# KiCad board Micro_Breakout.kicad_pcb
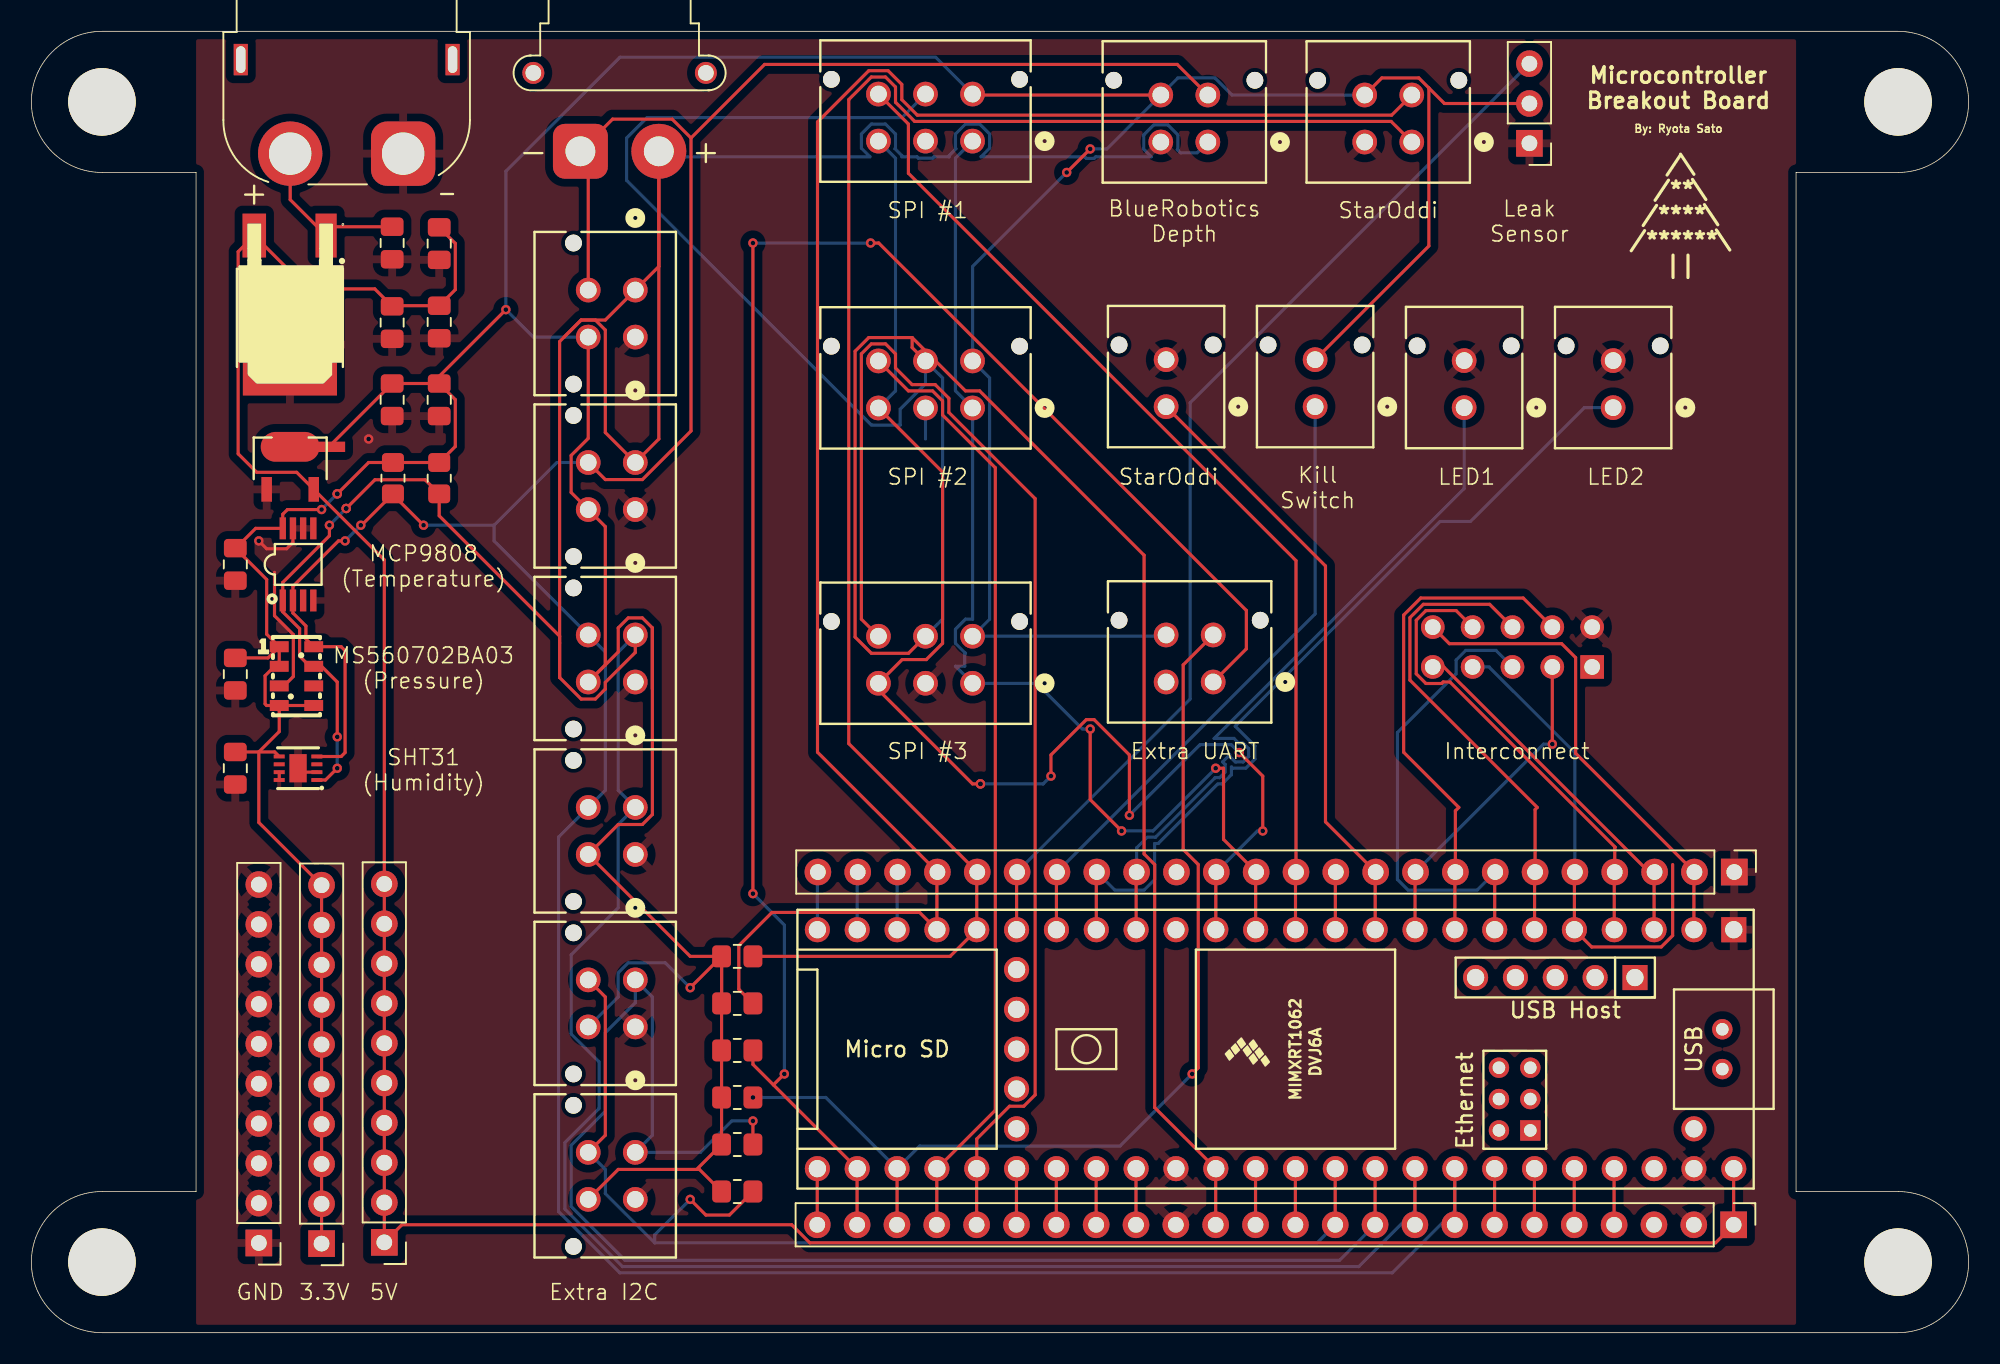
[diagram p0: board, top side]
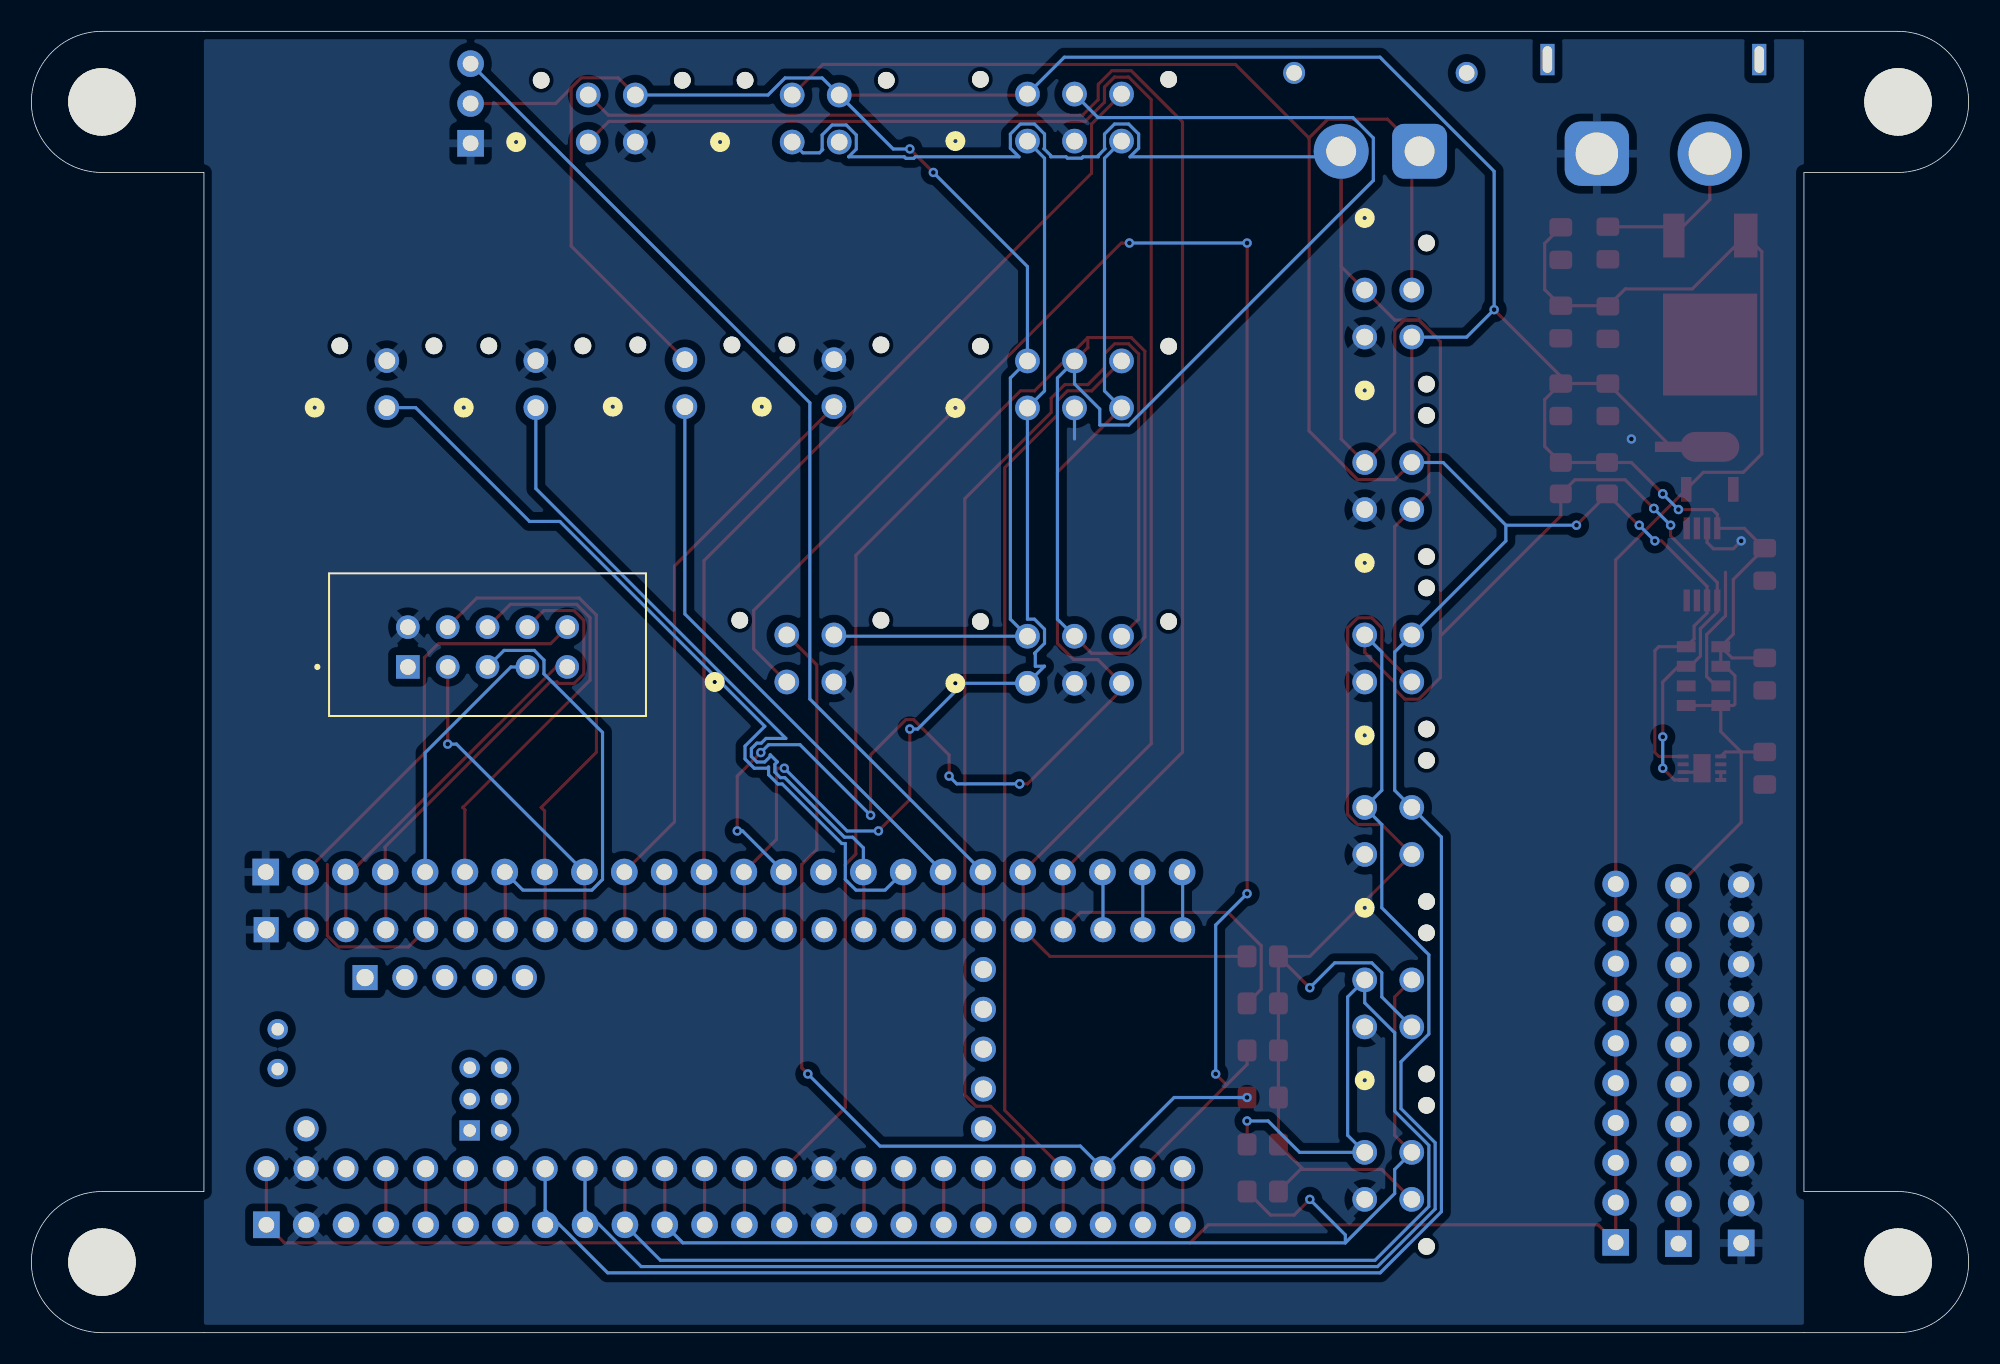
[diagram p1: board, bottom side, seen from below]

Outline 123.5 x 83 mm; copper layers: Top, Bottom. Coordinates in mm from the lower left corner of the outline.
Outline path: 4.5,83 119,83 arc(123.5,78.5) 119,74 112.5,74 112.5,9 119,9 arc(123.5,4.5) 119,0 4.5,0 arc(0,4.5) 4.5,9 10.5,9 10.5,74 4.5,74 arc(0,78.5) 4.5,83
Stack: Top 0.035mm / dielectric 1.51mm FR4 er 4.5 / Bottom 0.035mm

## Placement (name value [footprint] x y rotation side)
C1  10uF  [C_0805_2012Metric_Pad1.18x1.45mm_HandSolder]  23 64.42 270 top
C2  1uF  [C_0805_2012Metric_Pad1.18x1.45mm_HandSolder]  26 64.46 270 top
C3  10uF  [C_0805_2012Metric_Pad1.18x1.45mm_HandSolder]  26 59.5 270 top
C4  1uF  [C_0805_2012Metric_Pad1.18x1.45mm_HandSolder]  23 59.5 270 top
C5  10uF  [C_0805_2012Metric_Pad1.18x1.45mm_HandSolder]  26 69.46 270 top
C6  0.1uF  [C_0805_2012Metric_Pad1.18x1.45mm_HandSolder]  13 49 270 top
C7  0.1uF  [C_0805_2012Metric_Pad1.18x1.45mm_HandSolder]  13 36 270 top
C8  0.1uF  [C_0805_2012Metric_Pad1.18x1.45mm_HandSolder]  13 42 270 top
C15  10uF  [C_0805_2012Metric_Pad1.18x1.45mm_HandSolder]  23 69.5 270 top
H6  MountingHole  [MountingHole_4.3mm_M4]  4.5 78.5 0 top
H7  MountingHole  [MountingHole_4.3mm_M4]  4.5 4.5 0 top
H8  MountingHole  [MountingHole_4.3mm_M4]  119 78.5 0 top
H9  MountingHole  [MountingHole_4.3mm_M4]  119 4.5 0 top
J1  BlueRobotics Depth Sensor  [430450412]  75 75.94 0 top
J2  Interconnect  [SBH11-PBPC-D05-ST-BK]  94.42 43.73 180 bottom
J3  External Battery  [AMASS_XT60PW-F_1x02_P7.20mm_Horizontal]  23.7 75.2 0 top
J4  Conn_01x24  [PinHeader_1x24_P2.54mm_Vertical]  108.56 29.38 270 top
J5  External I2C  [AMASS_XT30PW-F_1x02_P2.50mm_Horizontal]  35 75.35 0 top
J6  Conn_01x24  [PinHeader_1x24_P2.54mm_Vertical]  108.52 6.88 270 top
J7  Extra I2C #1  [430450412]  38.5 66.5 90 top
J8  Extra I2C #2  [430450412]  38.5 55.5 90 top
J9  Lumen PWM  [430450212]  72.34 59.06 0 top
J10  Kill Switch  [430450212]  81.84 59.06 0 top
J11  StarOddi CTD Comms  [430450412]  88 75.94 0 top
J12  LED1  [430450212]  91.34 59 0 top
J13  LED2  [430450212]  100.84 59 0 top
J14  Leak Sensor  [PinHeader_1x03_P2.54mm_Vertical]  95.5 75.86 180 top
J15  Extra I2C #3  [430450412]  38.5 44.5 90 top
J16  Extra I2C #6  [430450412]  38.5 11.5 90 top
J17  Extra I2C #5  [430450412]  38.5 22.5 90 top
J18  Extra I2C #4  [430450412]  38.5 33.5 90 top
J19  GND Line  [PinHeader_1x10_P2.54mm_Vertical]  14.5 5.72 180 top
J20  3.3V Line  [PinHeader_1x10_P2.54mm_Vertical]  18.5 5.68 180 top
J21  5V Line  [PinHeader_1x10_P2.54mm_Vertical]  22.5 5.76 180 top
J22  Extra SPI #1  [430450612]  60 76 0 top
J23  Extra SPI #2  [430450612]  60 58.98 0 top
J24  Extra SPI #3  [430450612]  60 41.42 0 top
J25  Secondary UART  [430450412]  75.34 41.5 0 top
Q7  -  [L78M05ABDT-TR]  16.5 66.5 270 top
R3  10k  [R_0805_2012Metric_Pad1.20x1.40mm_HandSolder]  45 9 0 top
R4  10k  [R_0805_2012Metric_Pad1.20x1.40mm_HandSolder]  26 54.5 270 top
R5  10k  [R_0805_2012Metric_Pad1.20x1.40mm_HandSolder]  23.05 54.5 270 top
R6  10k  [R_0805_2012Metric_Pad1.20x1.40mm_HandSolder]  45 12 0 top
R7  10k  [R_0805_2012Metric_Pad1.20x1.40mm_HandSolder]  45 15 180 top
R8  10k  [R_0805_2012Metric_Pad1.20x1.40mm_HandSolder]  45 18 180 top
R10  10k  [R_0805_2012Metric_Pad1.20x1.40mm_HandSolder]  45 21 180 top
R11  10k  [R_0805_2012Metric_Pad1.20x1.40mm_HandSolder]  45 24 180 top
U1  -  [SHT31-DIS-B]  17 36 90 top
U3  -  [MS560702BA03-50]  16.9 41.88 0 top
U4  -  [AMS1117-3_3V_C5120796]  16.5 55.14 270 top
U5  -  [MCP9808-E_MS]  17 49 0 top
U6  -  [Teensy4_1]  79.32 18.08 180 top

## Library data of the parts
C1-C5 C15 = -: Description: Unpolarized capacitor; Supplier 1: https://www.digikey.com/en/products/detail/murata-electronics/GRM21BR61C106KE15K/2546903; Supplier 1 S/N: 490-6473-1-ND; ki_fp_filters: C_*
C6-C8 = -: Description: Unpolarized capacitor; KiLib_Generator: SMD_2terminal_chip_molded; Supplier 1: https://www.digikey.com/en/products/detail/murata-electronics/GRM21BR61C106KE15K/2546903; Supplier 1 S/N: 490-6473-1-ND; ki_fp_filters: C_*
H6-H9 = -: Description: Mounting Hole without connection; ki_fp_filters: MountingHole*
J1 J7 J8 J11 J15-J18 J25 = -: Datasheet: 430450412; Description: Symbol for 430450412; Supplier 1: https://www.digikey.com/en/products/detail/molex/0430450412/252503; Supplier 1 S/N: WM1790-ND; ki_fp_filters: CONN_SD-43045-005_04_MOL
J2 = -: Datasheet: https://www.digikey.com/en/products/detail/sullins-connector-solutions/SBH11-PBPC-D05-ST-BK/1990062; Description: Symbol for SBH11-PBPC-D05-ST-BK; PARTREV: J; STANDARD: Manufacturer Recommendations; SNAPEDA_PN: SBH11-PBPC-D05-ST-BK; MAXIMUM_PACKAGE_HEIGHT: 9.1mm; MANUFACTURER: Sullins Connector Solutions
J3 J5 = -: Description: Generic connector, single row, 01x02, script generated (kicad-library-utils/schlib/autogen/connector/); ki_fp_filters: Connector*:*_1x??_*
J4 J6 = -: Description: Generic connector, single row, 01x24, script generated (kicad-library-utils/schlib/autogen/connector/); ki_fp_filters: Connector*:*_1x??_*
J9 J10 J12 J13 = -: Datasheet: 430450212; Description: Symbol for 430450212; Supplier 1: https://www.digikey.com/en/products/detail/molex/0430450212/252502; Supplier 1 S/N: WM1789-ND; ki_fp_filters: CONN_SD-43045-005_02_MOL
J14 = -: Description: Generic connector, single row, 01x03, script generated; ki_fp_filters: Connector*:*_1x??_*
J19-J21 = -: Description: Generic connector, single row, 01x10, script generated (kicad-library-utils/schlib/autogen/connector/); ki_fp_filters: Connector*:*_1x??_*
J22-J24 = -: Datasheet: https://www.molex.com/en-us/products/part-detail-pdf/430450612?display=pdf; Description: Symbol for 430450612; Supplier 1: https://www.digikey.com/en/products/detail/molex/0430450612/252504; Supplier 1 S/N: WM1791-ND; ki_fp_filters: CONN_SD-43045-005_06_MOL
Q7 = -: Datasheet: https://jlcpcb.com/partdetail/STMicroelectronics-L78M05ABDTTR/C58069; Description: L78M05ABDT-TR (LCSC C58069); LCSC: C58069
R3-R8 R10 R11 = -: Description: Resistor, US symbol; Supplier 1: https://www.digikey.com/en/products/detail/panasonic-electronic-components/ERJ-6GEYJ103V/83062; Supplier 1 S/N: P10KACT-ND; ki_fp_filters: R_*
U1 = -: Datasheet: https://jlcpcb.com/partdetail/Sensirion-SHT31_DIS_B25kS/C80862; Description: SHT31-DIS-B (LCSC C80862); LCSC: C80862
U3 = -: Datasheet: https://jlcpcb.com/partdetail/TEConnectivity-MS560702BA0350/C97627; Description: MS560702BA03-50 (LCSC C97627); LCSC: C97627
U4 = -: Datasheet: https://jlcpcb.com/partdetail/MSKSEMI-AMS1117_33V/C5120796; Description: AMS1117-3_3V_C5120796 (LCSC C5120796); LCSC: C5120796
U5 = -: Datasheet: https://jlcpcb.com/partdetail/C94847; Description: MCP9808-E_MS (LCSC C94847); LCSC: C94847
U6 = -: Description: Symbol for Teensy4_1

## Footprints (pads in the part's own frame, mm; a bottom-side part is the same pattern mirrored in y, then rotated)
430450212
  round 1.067 hole 1.067 unplated: (-3,3.94) (3,3.94)
  round 1.575 hole 1.067: 1(0,0) 2(0,3)
430450412
  round 1.067 hole 1.067 unplated: (-6,3.94) (3,3.94)
  round 1.575 hole 1.067: 1(0,0) 2(-3,0) 3(0,3) 4(-3,3)
430450612
  round 1.067 hole 1.067 unplated: (-9,3.94) (3,3.94)
  round 1.575 hole 1.067: 1(0,0) 2(-3,0) 3(-6,0) 4(0,3) 5(-3,3) 6(-6,3)
AMASS_XT30PW-F_1x02_P2.50mm_Horizontal
  round 1.4 hole 1: (-3,5) (8,5)
  rrect 3.5x3.5 hole 1.9: 1(0,0)
  round 3.5 hole 1.9: 2(5,0)
AMASS_XT60PW-F_1x02_P7.20mm_Horizontal
  rect 0.9x2 hole 0.6x1.7: (-10.35,6) (3.15,6)
  rrect 4.1x4.1 hole 2.7: 1(0,0)
  round 4.1 hole 2.7: 2(-7.2,0)
AMS1117-3_3V_C5120796
  rect 1.575x0.672 smd: 1(1.356,-1.5) 3(1.356,1.5)
  custom 1.9x5.377 smd: 2(-1.356,0)
C_0805_2012Metric_Pad1.18x1.45mm_HandSolder
  rrect 1.175x1.45 smd: 1(-1.038,0) 2(1.038,0)
L78M05ABDT-TR
  rect 2.8x1.35 smd: 1(-3.475,2.29)
  rect 2.8x1.5 smd: 3(-3.475,-2.29)
  rect 6.5x6 smd: 4(3.475,-0.017)
MCP9808-E_MS
  rect 0.406x1.397 smd: 1(-0.975,-2.3) 2(-0.325,-2.3) 3(0.325,-2.3) 4(0.975,-2.3) 5(0.975,2.3) 6(0.325,2.3) 7(-0.325,2.3) 8(-0.975,2.3)
MountingHole_4.3mm_M4
  round 4.3 hole 4.3 unplated: (0,0)
MS560702BA03-50
  rect 1.2x0.7 smd: 1(-1.1,1.875) 2(-1.1,0.625) 3(-1.1,-0.625) 4(-1.1,-1.875) 5(1.1,-1.875) 6(1.1,-0.625) 7(1.1,0.625) 8(1.1,1.875)
PinHeader_1x03_P2.54mm_Vertical
  rect 1.7x1.7 hole 1: 1(0,0)
  round 1.7 hole 1: 2(0,-2.54) 3(0,-5.08)
PinHeader_1x10_P2.54mm_Vertical
  rect 1.7x1.7 hole 1: 1(0,0)
  round 1.7 hole 1: 2(0,-2.54) 3(0,-5.08) 4(0,-7.62) 5(0,-10.16) 6(0,-12.7) 7(0,-15.24) 8(0,-17.78) 9(0,-20.32) 10(0,-22.86)
PinHeader_1x24_P2.54mm_Vertical
  rect 1.7x1.7 hole 1: 1(0,0)
  round 1.7 hole 1: 2(0,-2.54) 3(0,-5.08) 4(0,-7.62) 5(0,-10.16) 6(0,-12.7) 7(0,-15.24) 8(0,-17.78) 9(0,-20.32) 10(0,-22.86) 11(0,-25.4) 12(0,-27.94) 13(0,-30.48) 14(0,-33.02) 15(0,-35.56) 16(0,-38.1) 17(0,-40.64) 18(0,-43.18) 19(0,-45.72) 20(0,-48.26) 21(0,-50.8) 22(0,-53.34) 23(0,-55.88) 24(0,-58.42)
R_0805_2012Metric_Pad1.20x1.40mm_HandSolder
  rrect 1.2x1.4 smd: 1(-1,0) 2(1,0)
SBH11-PBPC-D05-ST-BK
  rect 1.508x1.508 hole 1: 1(-5.08,-1.27)
  round 1.508 hole 1: 2(-5.08,1.27) 3(-2.54,-1.27) 4(-2.54,1.27) 5(0,-1.27) 6(0,1.27) 7(2.54,-1.27) 8(2.54,1.27) 9(5.08,-1.27) 10(5.08,1.27)
SHT31-DIS-B
  rect 0.25x0.7 smd: 1(-0.75,-1.2) 2(-0.25,-1.2) 3(0.25,-1.2) 4(0.75,-1.2) 5(0.75,1.2) 6(0.25,1.2) 7(-0.25,1.2) 8(-0.75,1.2)
  rect 1.8x1.1 smd: 9(0,0)
Teensy4_1
  rect 1.6x1.6 hole 1.1: 1(-29.21,-7.62) 55(-22.911,-4.569)
  round 1.6 hole 1.1: 2(-26.67,-7.62) 3(-24.13,-7.62) 4(-21.59,-7.62) 5(-19.05,-7.62) 6(-16.51,-7.62) 7(-13.97,-7.62) 8(-11.43,-7.62) 9(-8.89,-7.62) 10(-6.35,-7.62) 11(-3.81,-7.62) 12(-1.27,-7.62) 13(1.27,-7.62) 14(3.81,-7.62) 15(6.35,-7.62) 16(8.89,-7.62) 17(11.43,-7.62) 18(13.97,-7.62) 19(16.51,-7.62) 20(19.05,-7.62) 21(21.59,-7.62) 22(24.13,-7.62) 23(26.67,-7.62) 24(29.21,-7.62) 25(29.21,7.62) 26(26.67,7.62) 27(24.13,7.62) 28(21.59,7.62) 29(19.05,7.62) 30(16.51,7.62) 31(13.97,7.62) 32(11.43,7.62) 33(8.89,7.62) 34(6.35,7.62) 35(3.81,7.62) 36(1.27,7.62) 37(-1.27,7.62) 38(-3.81,7.62) 39(-6.35,7.62) 40(-8.89,7.62) 41(-11.43,7.62) 42(-13.97,7.62) 43(-16.51,7.62) 44(-19.05,7.62) 45(-21.59,7.62) 46(-24.13,7.62) 47(-26.67,7.62) 48(-29.21,7.62) 49(-26.67,5.08) 50(16.51,-5.08) 51(16.51,-2.54) 52(16.51,0) 53(16.51,2.54) 54(16.51,5.08) 56(-20.371,-4.569) 57(-17.831,-4.569) 58(-15.291,-4.569) 59(-12.751,-4.569)
  rect 1.3x1.3 hole 0.8: 60(-16.24,5.182)
  round 1.3 hole 0.8: 61(-16.24,3.182) 62(-16.24,1.182) 63(-14.24,1.182) 64(-14.24,3.182) 65(-14.24,5.182) 66(-28.48,1.27) 67(-28.48,-1.27)

## Nets
+3.3V: C3.1 C4.1 C6.1 C7.1 C8.1 J1.4 J7.4 J8.4 J10.2 J11.4 J14.2 J15.4 J16.4 J17.4 J18.4 J20.1 J20.2 J20.3 J20.4 J20.5 J20.6 J20.7 J20.8 J20.9 J20.10 J22.4 J23.4 J24.4 J25.4 R3.1 R4.1 R5.1 R6.1 R7.2 R8.2 R10.2 R11.2 U1.5 U3.1 U3.2 U3.4 U3.5 U4.2 U5.8
+5V: C1.1 C2.1 C5.1 J6.1 J21.1 J21.2 J21.3 J21.4 J21.5 J21.6 J21.7 J21.8 J21.9 J21.10 Q7.3 U4.3 U6.48
GND: C1.2 C2.2 C3.2 C4.2 C5.2 C6.2 C7.2 C8.2 C15.2 J1.2 J2.2 J3.1 J4.1 J6.2 J6.15 J7.2 J8.2 J9.2 J11.2 J12.2 J13.2 J14.1 J15.2 J16.2 J17.2 J18.2 J19.1 J19.2 J19.3 J19.4 J19.5 J19.6 J19.7 J19.8 J19.9 J19.10 J22.2 J23.2 J24.2 J25.2 Q7.4 U1.2 U1.7 U1.8 U1.9 U3.3 U4.1 U5.4 U5.5 U5.6 U5.7 U6.1 U6.34 U6.47
Dled1: J4.16 J12.1 U6.16
Dled2: J4.17 J13.1 U6.17
Dswitch1: J4.18 J10.1 U6.18
I2C1_SCL: J1.3 J5.1 J6.8 J7.3 J8.3 J15.3 J18.3 R5.2 U1.4 U3.8 U5.2 U6.41
I2C1_SDA: J1.1 J5.2 J6.9 J7.1 J8.1 J15.1 J18.1 R4.2 U1.1 U3.7 U5.1 U6.40
I2C2_SCL: J6.11 J16.3 J17.3 R3.2 U6.38
I2C2_SDA: J6.10 J16.1 J17.1 R6.2 U6.39
Lumen_PWM: J4.10 J9.1 U6.10
PIN9: J4.11 U6.11
PIN14: J6.13 U6.36
PIN15: J6.12 U6.37
PIN20: J6.7 U6.42
PIN21: J6.6 U6.43
PIN22: J6.5 U6.44
PIN23: J6.4 U6.45
PIN30: J4.22 U6.22
PIN31: J4.23 U6.23
PIN32: J4.24 U6.24
PIN33: J6.24 U6.25
PIN38: J6.19 U6.30
PIN39: J6.18 U6.31
PIN40: J6.17 U6.32
PIN41: J6.16 U6.33
PWM0: J2.10 J4.2 U6.2
PWM1: J2.9 J4.3 U6.3
PWM2: J2.8 J4.4 U6.4
PWM3: J2.7 J4.5 U6.5
PWM4: J2.6 J4.6 U6.6
PWM5: J2.5 J4.7 U6.7
PWM6: J2.4 J4.8 U6.8
PWM7: J2.3 J4.9 U6.9
SPI_CS1: J4.12 J22.6 U6.12
SPI_CS2: J6.21 J23.6 U6.28
SPI_CS3: J6.20 J24.6 U6.29
SPI_MISO: J4.14 J22.3 J23.3 J24.3 U6.14
SPI_MOSI: J4.13 J22.1 J23.1 J24.1 U6.13
SPI_SCK: J6.14 J22.5 J23.5 J24.5 U6.35
UART_RX1: J4.20 J11.1 R11.1 U6.20
UART_RX2: J6.23 J25.1 R8.1 U6.26
UART_TX1: J4.21 J11.3 R10.1 U6.21
UART_TX2: J6.22 J25.3 R7.1 U6.27
V_BATT: C15.1 J3.2 Q7.1
xDleak: J4.19 J14.3 U6.19

Pads without a net: J2 1; J4 15; J6 3; U1 3 6; U3 6; U5 3; U6 15 46 49 50 51 52 53 54 55 56 57 58 59 60 61 62 63 64 65 66 67

## Via types
v1: diameter 0.6, hole 0.3, Top to Bottom, 35 vias

## Routing (per net, layer and track width the routed paths; a pad name or vN(x,y) marks a point on that pad's centre or on a via; arc(x,y) is an arc through that point)
+3.3V: length 359.3
  Top w0.2: v1(19.5,53.5) 21.5,55.5 R5.1 ; v1(42,22) R11.2 ; R11.2 R10.2 ; R11.2 42,24 J18.4 37.41,32.41 38.95,32.41 39.59,33.05 39.59,44.95 ; R11.2 R8.2 R7.2 R6.1 42.41,10.41 ; C3.1 27.03,59.51 27.03,56.53 R4.1 R5.1 ; C3.1 26,61 v1(30.25,65.25) ; C3.1 C4.1 18.96,56.5 U4.2 ; J7.4 35.5,57.04 34.41,55.95 34.41,53.59 J8.4 36.59,51.41 36.59,42.59 J15.4 37.41,43.41 37.41,44.95 38.05,45.59 38.95,45.59 39.59,44.95 ; U3.1 15,44.55 15,48.04 C6.1 13.04,50.04 14.3,51.3 U5.8 16.02,52.2 16.33,52.5 v1(18.5,52.5) ; U3.1 U3.2 15.5,42.5 14.9,41.9 14.9,40.1 15,40 U3.4 ; U3.1 15.09,43.04 C8.1 ; U1.5 15.51,37.04 14.5,37.04 ; J11.4 86.09,80.03 88.45,80.03 89.09,79.39 ; v1(66,74) v1(67.5,75.5) ; 42.41,10.41 42.59,10.41 R3.1 ; 42.41,10.41 37.41,10.41 J16.4 ; 39.59,44.95 39.59,41.05 ; R5.1 23.05,55.23 ; J22.4 60.06,78.94 J1.4 ; 89.09,79.39 89.09,69.31 J10.2 ; 89.09,79.39 90.08,78.4 J14.2 ; U3.4 15.8,38.34 14.5,37.04 ; U3.4 U3.5 ; 14.5,37.04 14.5,32.54 J20.10 J20.9 J20.8 J20.7 J20.6 J20.5 J20.4 J20.3 J20.2 J20.1 ; 14.5,37.04 C7.1
  Bottom w0.2: v1(42,22) 40.41,23.59 38.05,23.59 37.41,22.95 37.41,21.41 J17.4 ; J7.4 32,63.5 v1(30.25,65.25) 30.25,74.07 37.53,81.35 57.65,81.35 J22.4 ; v1(18.5,52.5) v1(19.5,53.5) ; J11.4 76.54,78.94 75.45,80.03 73.09,80.03 J1.4 68.56,75.5 v1(67.5,75.5) ; J25.4 72.26,44.42 J24.4 61.09,45.51 61.09,60.89 J23.4 60,68 v1(66,74)
+5V: length 180.5
  Top w0.2: C5.1 27.03,69.47 27.03,66.53 C2.1 23.5,65.5 23.46,65.46 C1.1 21.89,66.57 17.61,66.57 Q7.3 13.18,68.95 13.18,56.06 14.36,54.88 16.91,54.88 U4.3 22.5,49.29 J21.10 J21.9 J21.8 J21.7 J21.6 J21.5 J21.4 J21.3 J21.2 J21.1 23.62,6.88 48.47,6.88 49.62,5.73 107.37,5.73 J6.1 108.52,10.45 U6.48
GND: length 15.6
  Top w0.2: U1.9 17.25,35.75 U1.2 ; U5.7 16.67,50.4 16.27,50 15,50 v1(14.5,50.5) ; U1.7 U1.8 ; 15.5,48.5 15.5,45.72 16.7,44.52 16.7,41.85 16.1,41.25 U3.3
  Bottom w0.2: 57,57 J23.2 57,58.93
  vias: v1(21.5,57)
Dled1: length 46.5
  Top w0.2: U6.16 70.43,29.35 J4.16
  Bottom w0.2: J12.1 91.34,53.84 75.4,37.9 76.67,37.9 76.97,37.6 77.25,37.6 77.6,37.25 77.6,36.75 77.25,36.4 76.75,36.4 76.4,36.75 76.4,36.86 75.95,36.4 76.1,36.25 76.1,35.75 75.75,35.4 75.47,35.4 71.67,31.6 71.14,31.6 70.46,30.92 J4.16
Dled2: length 54.5
  Top w0.2: U6.17 67.89,29.35 J4.17
  Bottom w0.2: J13.1 99,59 91.74,51.74 89.81,51.74 76.74,38.67 78,37.42 78,36.58 77.42,36 76.58,36 76.5,36.08 76.5,35.58 75.92,35 75.63,35 71.83,31.2 71.61,31.2 71.61,28.9 70.94,28.23 69.07,28.23 J4.17
Dswitch1: length 40.2
  Top w0.2: U6.18 65.35,29.35 J4.18
  Bottom w0.2: J4.18 81.84,45.84 J10.1
I2C1_SCL: length 233.5
  Top w0.2: U1.4 19.75,36.75 20,37 20,43.5 19.75,43.75 U3.8 17.5,44.25 17.5,45.08 16.67,45.9 U5.2 16.67,47.6 19.58,50.5 v1(20,50.5) ; 42.05,76.2 42.05,57.51 38.95,54.41 36.59,54.41 J8.3 ; 42.05,76.2 40.85,77.4 37.05,77.4 J5.1 35.5,74.85 J7.3 ; 42.05,76.2 46.74,80.89 73.05,80.89 J1.3 ; v1(21,51.5) 21.05,51.5 R5.2 ; R5.2 23,53.5 ; R5.2 23.05,53.45 v1(25,51.5) ; J6.8 90.74,10.45 U6.41
  Bottom w0.2: 29.5,51.5 v1(25,51.5) ; 29.5,51.5 29.5,50.5 J15.3 36.59,43.41 36.59,34.59 J18.3 33.61,31.61 33.61,7.72 37.51,3.81 86.76,3.81 90.75,7.8 U6.41 ; 29.5,51.5 33.5,55.5 J8.3 ; v1(20,50.5) v1(21,51.5)
I2C1_SDA: length 273.4
  Top w0.2: 33.68,41.79 35.05,40.41 35.95,40.41 36.59,41.05 36.59,41.47 38.5,43.39 J15.1 ; 33.68,41.79 33.68,63.21 35.05,64.59 ; 33.68,41.79 33.68,44.42 26,52.1 R4.2 25.1,54.4 21.9,54.4 v1(20.07,52.57) ; U6.40 88.2,10.45 J6.9 ; v1(19.5,38) 19.5,41.5 18.5,42.5 U3.7 17.75,42.5 17.1,43.15 17.1,44.9 16.02,45.98 U5.1 16.02,47.85 19,50.82 v1(19,51.5) ; 35.05,64.59 36.59,64.59 J7.1 40,68 J5.2 40,57 J8.1 36.59,57.41 36.59,63.95 35.95,64.59 35.05,64.59 ; 35.05,64.59 33.96,63.5 ; U1.1 18.75,35.25 v1(19.5,36)
  Bottom w0.2: v1(19.5,38) v1(19.5,36) ; v1(19,51.5) v1(20.07,52.57) ; J5.2 40.35,75 53.46,75 52.91,75.55 52.91,76.45 53.55,77.09 54.45,77.09 55.09,76.45 55.09,75.55 55.05,75.51 55.49,75.08 55.49,75 56.46,75 56.55,74.91 57.45,74.91 57.54,75 58.51,75 58.51,75.08 58.95,75.51 58.91,75.55 58.91,76.45 59.55,77.09 60.45,77.09 61.09,76.45 61.09,75.55 60.54,75 67.15,75 67.25,74.9 67.75,74.9 67.85,75 71.4,75 70.91,75.49 70.91,76.39 71.55,77.03 72.45,77.03 73.09,76.39 73.09,75.49 73.05,75.45 73.25,75.25 74.31,75.25 J1.1 ; U6.40 88.21,7.8 84.62,4.21 37.68,4.21 34.01,7.88 34.01,12.12 36.19,14.29 36.19,17.27 34.41,19.05 34.41,24.1 37.41,27.1 37.41,32.41 J18.1 37.41,34.59 37.41,43.41 J15.1
I2C2_SCL: length 75.6
  Top w0.2: J6.11 83.12,10.45 U6.38 ; J16.3 36.59,12.59 36.59,21.41 J17.3 ; v1(42,8.5) 43,7.5 44.5,7.5 R3.2
  Bottom w0.2: 39.73,5.73 36.59,8.87 36.59,10.41 J16.3 ; 39.73,5.73 81.97,5.73 J6.11 ; 39.73,5.73 39.73,6.23 v1(42,8.5)
I2C2_SDA: length 95.1
  Top w0.2: J6.10 85.66,10.45 U6.39 ; R6.2 v1(46,13.5)
  Bottom w0.2: J6.10 83.4,4.62 37.85,4.62 34.41,8.05 34.41,11.95 36.59,14.13 36.59,19.13 38.5,21.04 J17.1 39.59,21.41 39.59,12.59 J16.1 42.65,11.5 44.65,13.5 v1(46,13.5)
Lumen_PWM: length 38.9
  Top w0.2: U6.10 85.67,29.35 J4.10 82.5,32.58 82.5,48.9 J9.1
PIN9: length 3.7
  Top w0.2: J4.11 83.13,29.35 U6.11
PIN14: length 3.6
  Top w0.2: U6.36 78.04,10.45 J6.13
PIN15: length 3.6
  Top w0.2: U6.37 80.58,10.45 J6.12
PIN20: length 3.6
  Top w0.2: U6.42 93.28,10.45 J6.7
PIN21: length 3.6
  Top w0.2: J6.6 95.82,10.45 U6.43
PIN22: length 3.6
  Top w0.2: J6.5 98.36,10.45 U6.44
PIN23: length 3.6
  Top w0.2: U6.45 100.9,10.45 J6.4
PIN30: length 3.7
  Bottom w0.2: U6.22 55.19,29.35 J4.22
PIN31: length 3.7
  Bottom w0.2: J4.23 52.65,29.35 U6.23
PIN32: length 3.7
  Bottom w0.2: U6.24 50.11,29.35 J4.24
PIN33: length 3.6
  Top w0.2: J6.24 50.1,10.45 U6.25
PIN38: length 3.6
  Top w0.2: J6.19 62.8,10.45 U6.30
PIN39: length 3.6
  Top w0.2: U6.31 65.34,10.45 J6.18
PIN40: length 3.6
  Top w0.2: U6.32 67.88,10.45 J6.17
PIN41: length 3.6
  Top w0.2: J6.16 70.42,10.45 U6.33
PWM0: length 30.4
  Top w0.2: U6.2 105.99,29.35 J4.2 98.44,36.95 98.44,43.06 97.56,43.94 90.4,43.94 J2.10
PWM1: length 23.3
  Top w0.2: U6.3 103.45,29.35 J4.3 103.12,29.38 90.04,42.46 J2.9
PWM2: length 30.3
  Top w0.2: J2.8 90.82,46.06 88.9,46.06 88.28,45.44 88.28,42.02 88.9,41.41 89.91,41.41 90,41.5 90.43,41.5 100.97,30.97 100.94,30.94 J4.4 ; U6.4 100.91,29.35 J4.4 ; J4.4 100.93,29.38
PWM3: length 31.8
  Top w0.2: J4.5 98.37,29.35 U6.5 99.47,24.6 103.9,24.6 104.63,25.33 104.63,29.86 ; J2.7 92.03,42.46
  Bottom w0.2: J4.5 98.4,36.99 92.93,42.46 J2.7
PWM4: length 30.8
  Top w0.2: J2.6 92.96,46.46 88.74,46.46 87.88,45.6 87.88,41.62 96,33.5 95.86,33.36 J4.6 95.83,29.35 U6.6
PWM5: length 30.5
  Top w0.2: J4.7 93.29,29.35 U6.7
  Bottom w0.2: J2.5 93.37,43.52 91.44,43.52 90.82,42.9 90.82,42.02 87.09,38.29 87.09,28.9 87.76,28.23 92.17,28.23 J4.7
PWM6: length 32.3
  Top w0.2: U6.8 90.75,29.35 J4.8 90.78,33.28 91,33.5 87.48,37.02 87.48,45.77 88.57,46.86 95.1,46.86 J2.4
PWM7: length 20.8
  Top w0.2: 97,37.5 v1(96.96,37.54) J2.3 ; J4.9 88.21,29.35 U6.9
  Bottom w0.2: v1(96.96,37.54) 96.4,37.54 J4.9
SPI_CS1: length 64.3
  Top w0.2: U6.12 80.59,29.35 J4.12 80.62,49.24 55.91,73.95 55.91,77.09 J22.6
SPI_CS2: length 60.6
  Top w0.2: J6.21 57.72,10.45 U6.28 61.45,14.18 61.45,55.17 58.09,58.53 58.09,59.43 57.45,60.07 55.91,60.07 J23.6
SPI_CS3: length 83.3
  Top w0.2: J24.6 52.91,45.51 52.91,62.43 53.55,63.07 54.45,63.07 55.09,62.43 55.09,61.53 56.15,60.47 57.62,60.47 58.49,59.6 58.49,58.69 63.99,53.19 63.99,15.17 63.26,14.44 62.35,14.44 60.27,12.36 U6.29 60.26,10.45 J6.20
SPI_MISO: length 88.4
  Top w0.2: v1(77,37) 78.5,35.5 v1(78.5,32) ; J4.14 75.51,29.35 U6.14 ; v1(70,33) 70,36.85 67.75,39.1 67.25,39.1 65,36.85 v1(65,35.5) ; J23.3 58.09,54.89 58.09,43.97 57.05,42.93 55.51,42.93 J24.3 54,41 60,35 v1(60.5,35)
  Bottom w0.2: v1(70,33) 74.5,37.5 76.5,37.5 v1(77,37) ; v1(65,35.5) 64.5,35 v1(60.5,35) ; v1(78.5,32) 78.16,32 J4.14 ; J22.3 55.09,74.91 55.09,60.07 J23.3
SPI_MOSI: length 72.9
  Top w0.2: U6.13 78.05,29.35 J4.13 76,31.46 76,36 v1(75.5,36) ; v1(67.5,38.5) 67.5,34 v1(69.5,32)
  Bottom w0.2: v1(69.5,32) 71.5,32 v1(75.5,36) ; v1(67.5,38.5) 67,38.5 64.08,41.42 J24.1 58.91,42.51 59.5,42.51 59.5,43.33 59.55,43.33 58.91,43.97 58.91,44.87 59.55,45.51 60,45.51 J23.1 58.91,60.07 58.91,74.91 J22.1
SPI_SCK: length 164.6
  Top w0.2: 56.15,63.47 53.38,63.47 52.51,62.6 52.51,44.37 53.55,43.33 55.91,43.33 J24.5 ; 56.15,63.47 59.55,60.07 60.45,60.07 70.94,49.58 70.94,30.53 71.61,29.86 71.61,14.36 U6.35 75.5,10.45 J6.14 ; 56.15,63.47 56.15,62.83 J23.5
  Bottom w0.2: J24.5 58.09,45.51 58.09,60.89 J23.5 57,60.52 55.39,58.91 55.39,57.89 53.55,57.89 37.95,73.49 37.95,76.2 39.25,77.5 55.5,77.5 J22.5
UART_RX1: length 110.1
  Top w0.2: R11.1 58.57,24 U6.20 60.27,29.35 J4.20 52.11,37.57 52.11,78.65 53.55,80.09 54.45,80.09 55.09,79.45 55.09,78.48 56.31,77.25 86.69,77.25 J11.1
UART_RX2: length 115.3
  Top w0.2: J25.1 77.46,43.62 77.46,46.06 54.02,69.5 v1(53.5,69.5) ; R8.1 46,17.11 47.3,15.8 ; J6.23 52.64,10.45 U6.26 47.3,15.8 ; v1(46,69.5) v1(46,28) ; 47.3,15.8 v1(48,16.5)
  Bottom w0.2: v1(46,28) 48,26 v1(48,16.5) ; v1(53.5,69.5) v1(46,69.5)
UART_TX1: length 114.2
  Top w0.2: J11.3 86.72,77.66 56.48,77.66 55.49,78.64 55.49,79.62 54.62,80.49 53.38,80.49 50.12,77.22 50.12,37.02 J4.21 57.73,29.35 U6.21 56.63,26.8 47.21,26.8 45.1,24.69 45.1,21.9 R10.1
UART_TX2: length 65.3
  Top w0.2: J25.3 73.43,42.59 73.43,30.82 74.39,29.86 74.39,16.89 v1(74,16.5) ; J6.22 55.19,6.89 U6.27
  Bottom w0.2: v1(46,15) 50.65,15 U6.27 56.63,11.9 69.4,11.9 v1(74,16.5)
V_BATT: length 10.6
  Top w0.2: J3.2 16.5,72.27 Q7.1 19.35,70.54 C15.1
xDleak: length 68.8
  Top w0.2: J4.19 62.81,29.35 U6.19
  Bottom w0.2: J14.3 73.87,59.31 73.87,40.41 J4.19

## Copper pours and planes (outline as drawn; the poured copper is in the pictures)
GND on Top, Bottom: 10.5,83 10.5,0 112.5,0 112.5,83

## Text on the board
F.Silkscreen: By: Ryota Sato | GND | 3.3V | 5V | SPI #1 | SPI #2 | SPI #3 | Extra UART | Interconnect | MCP9808 / (Temperature) | MS560702BA03 / (Pressure) | SHT31 / (Humidity) | Extra I2C | StarOddi | BlueRobotics / Depth | Kill / Switch | LED1 | Leak / Sensor | LED2 | /\ / /**\ / /****\ / /******\ / || | Microcontroller / Breakout Board
